# Altium PCB Thunderscope-E.PCBDOC (part 1 of 4)
Units mm, origin at the board's own origin, x right, y up, seen from the top; angles counter-clockwise.
Board outline 90.45 x 105.75 mm, 4 copper layers (L1, L2, L3, L4), stack 1.641 mm thick; 474 components, 268 nets, 1559 pads, 783 vias.
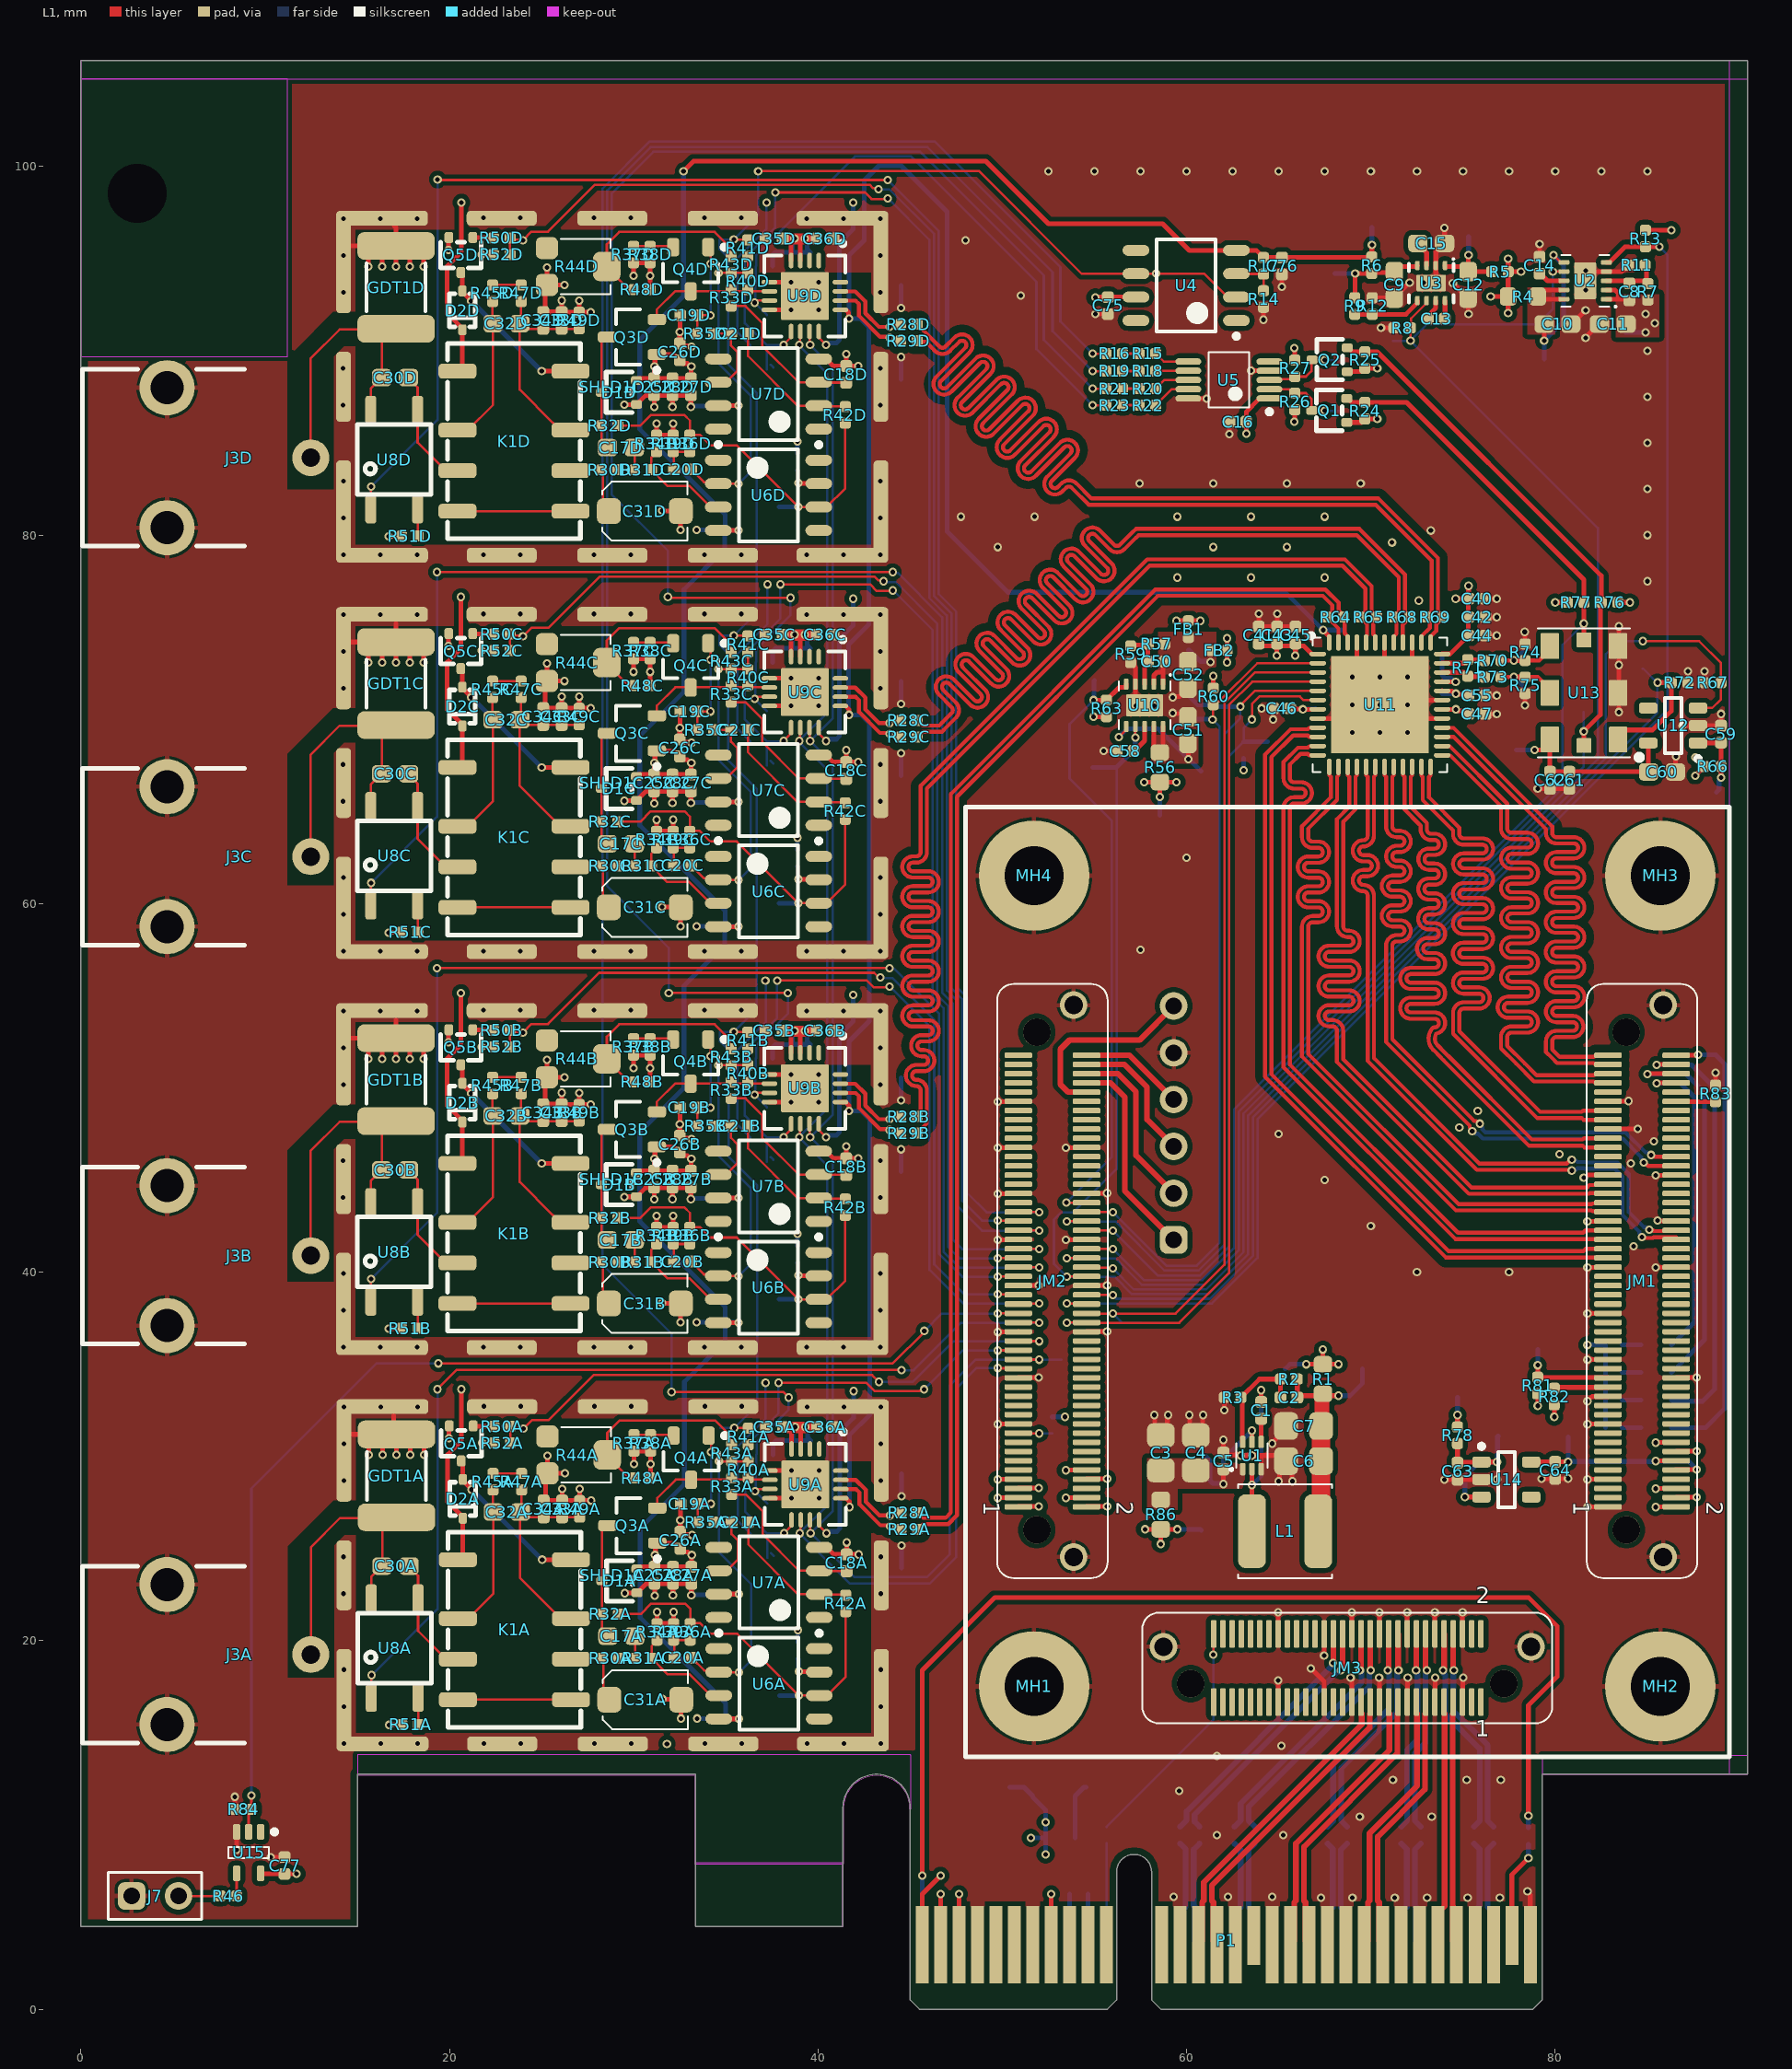
[diagram p0: L1 view]
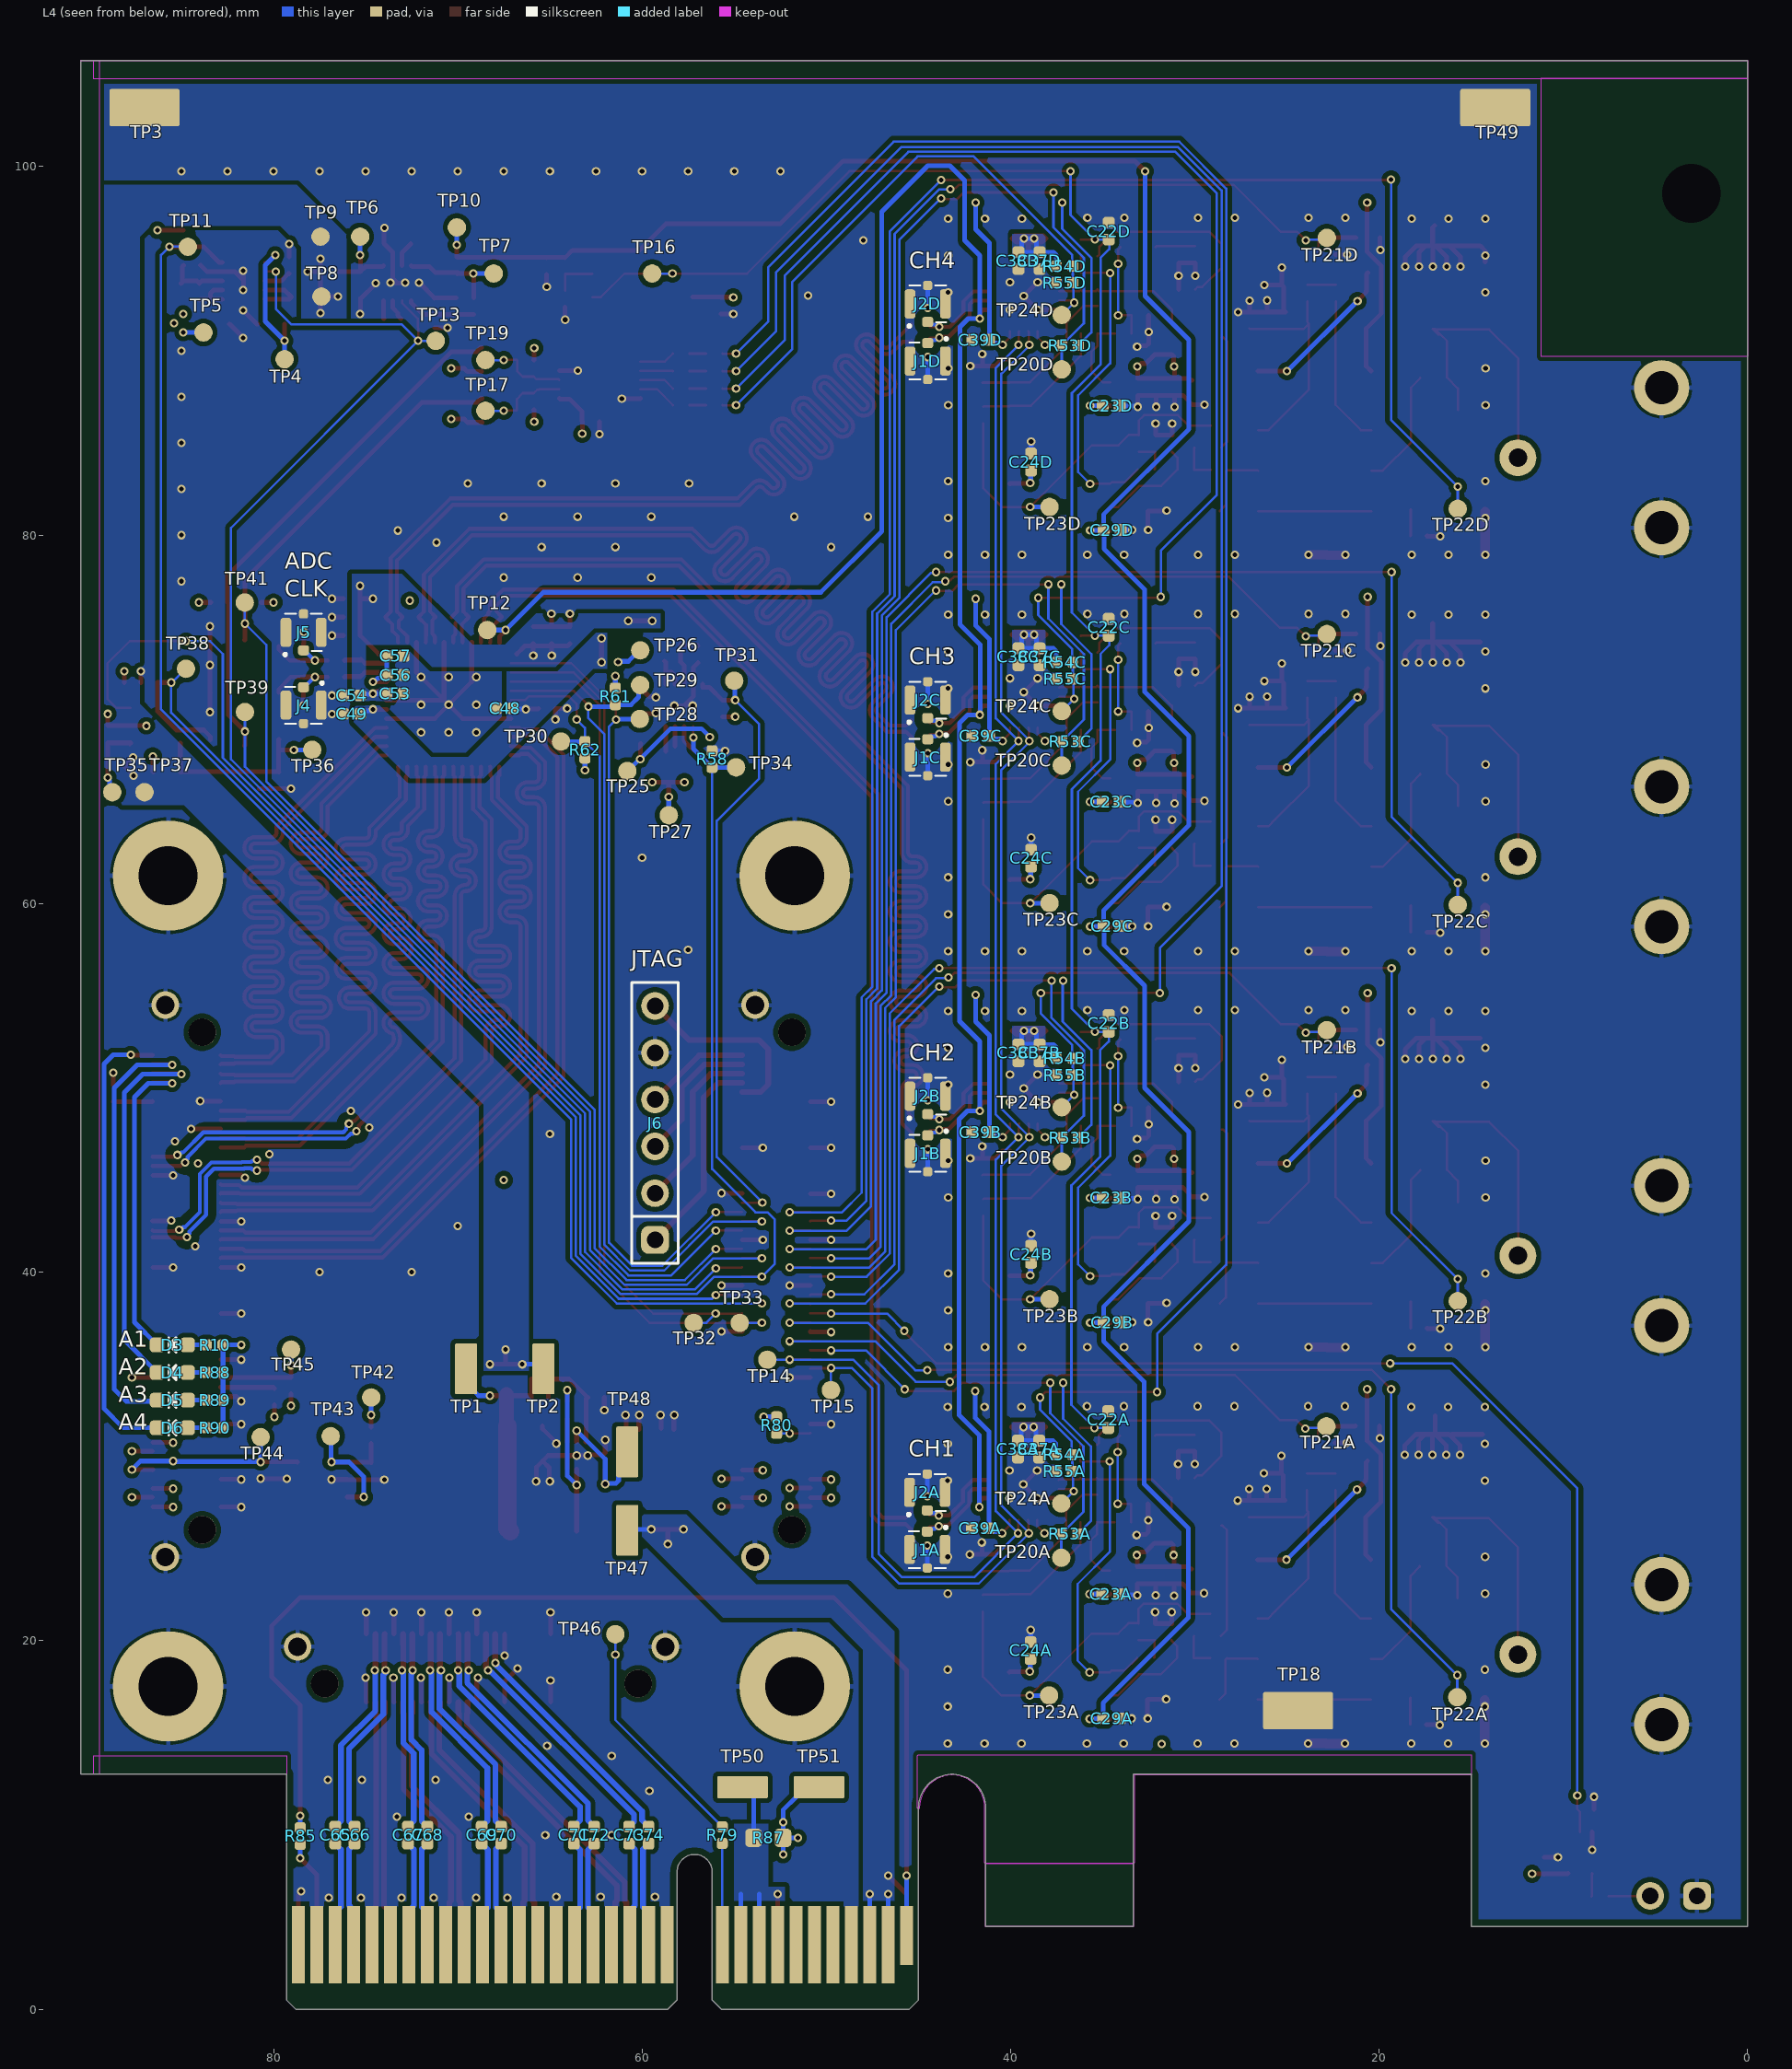
[diagram p1: L4 view, seen from below]
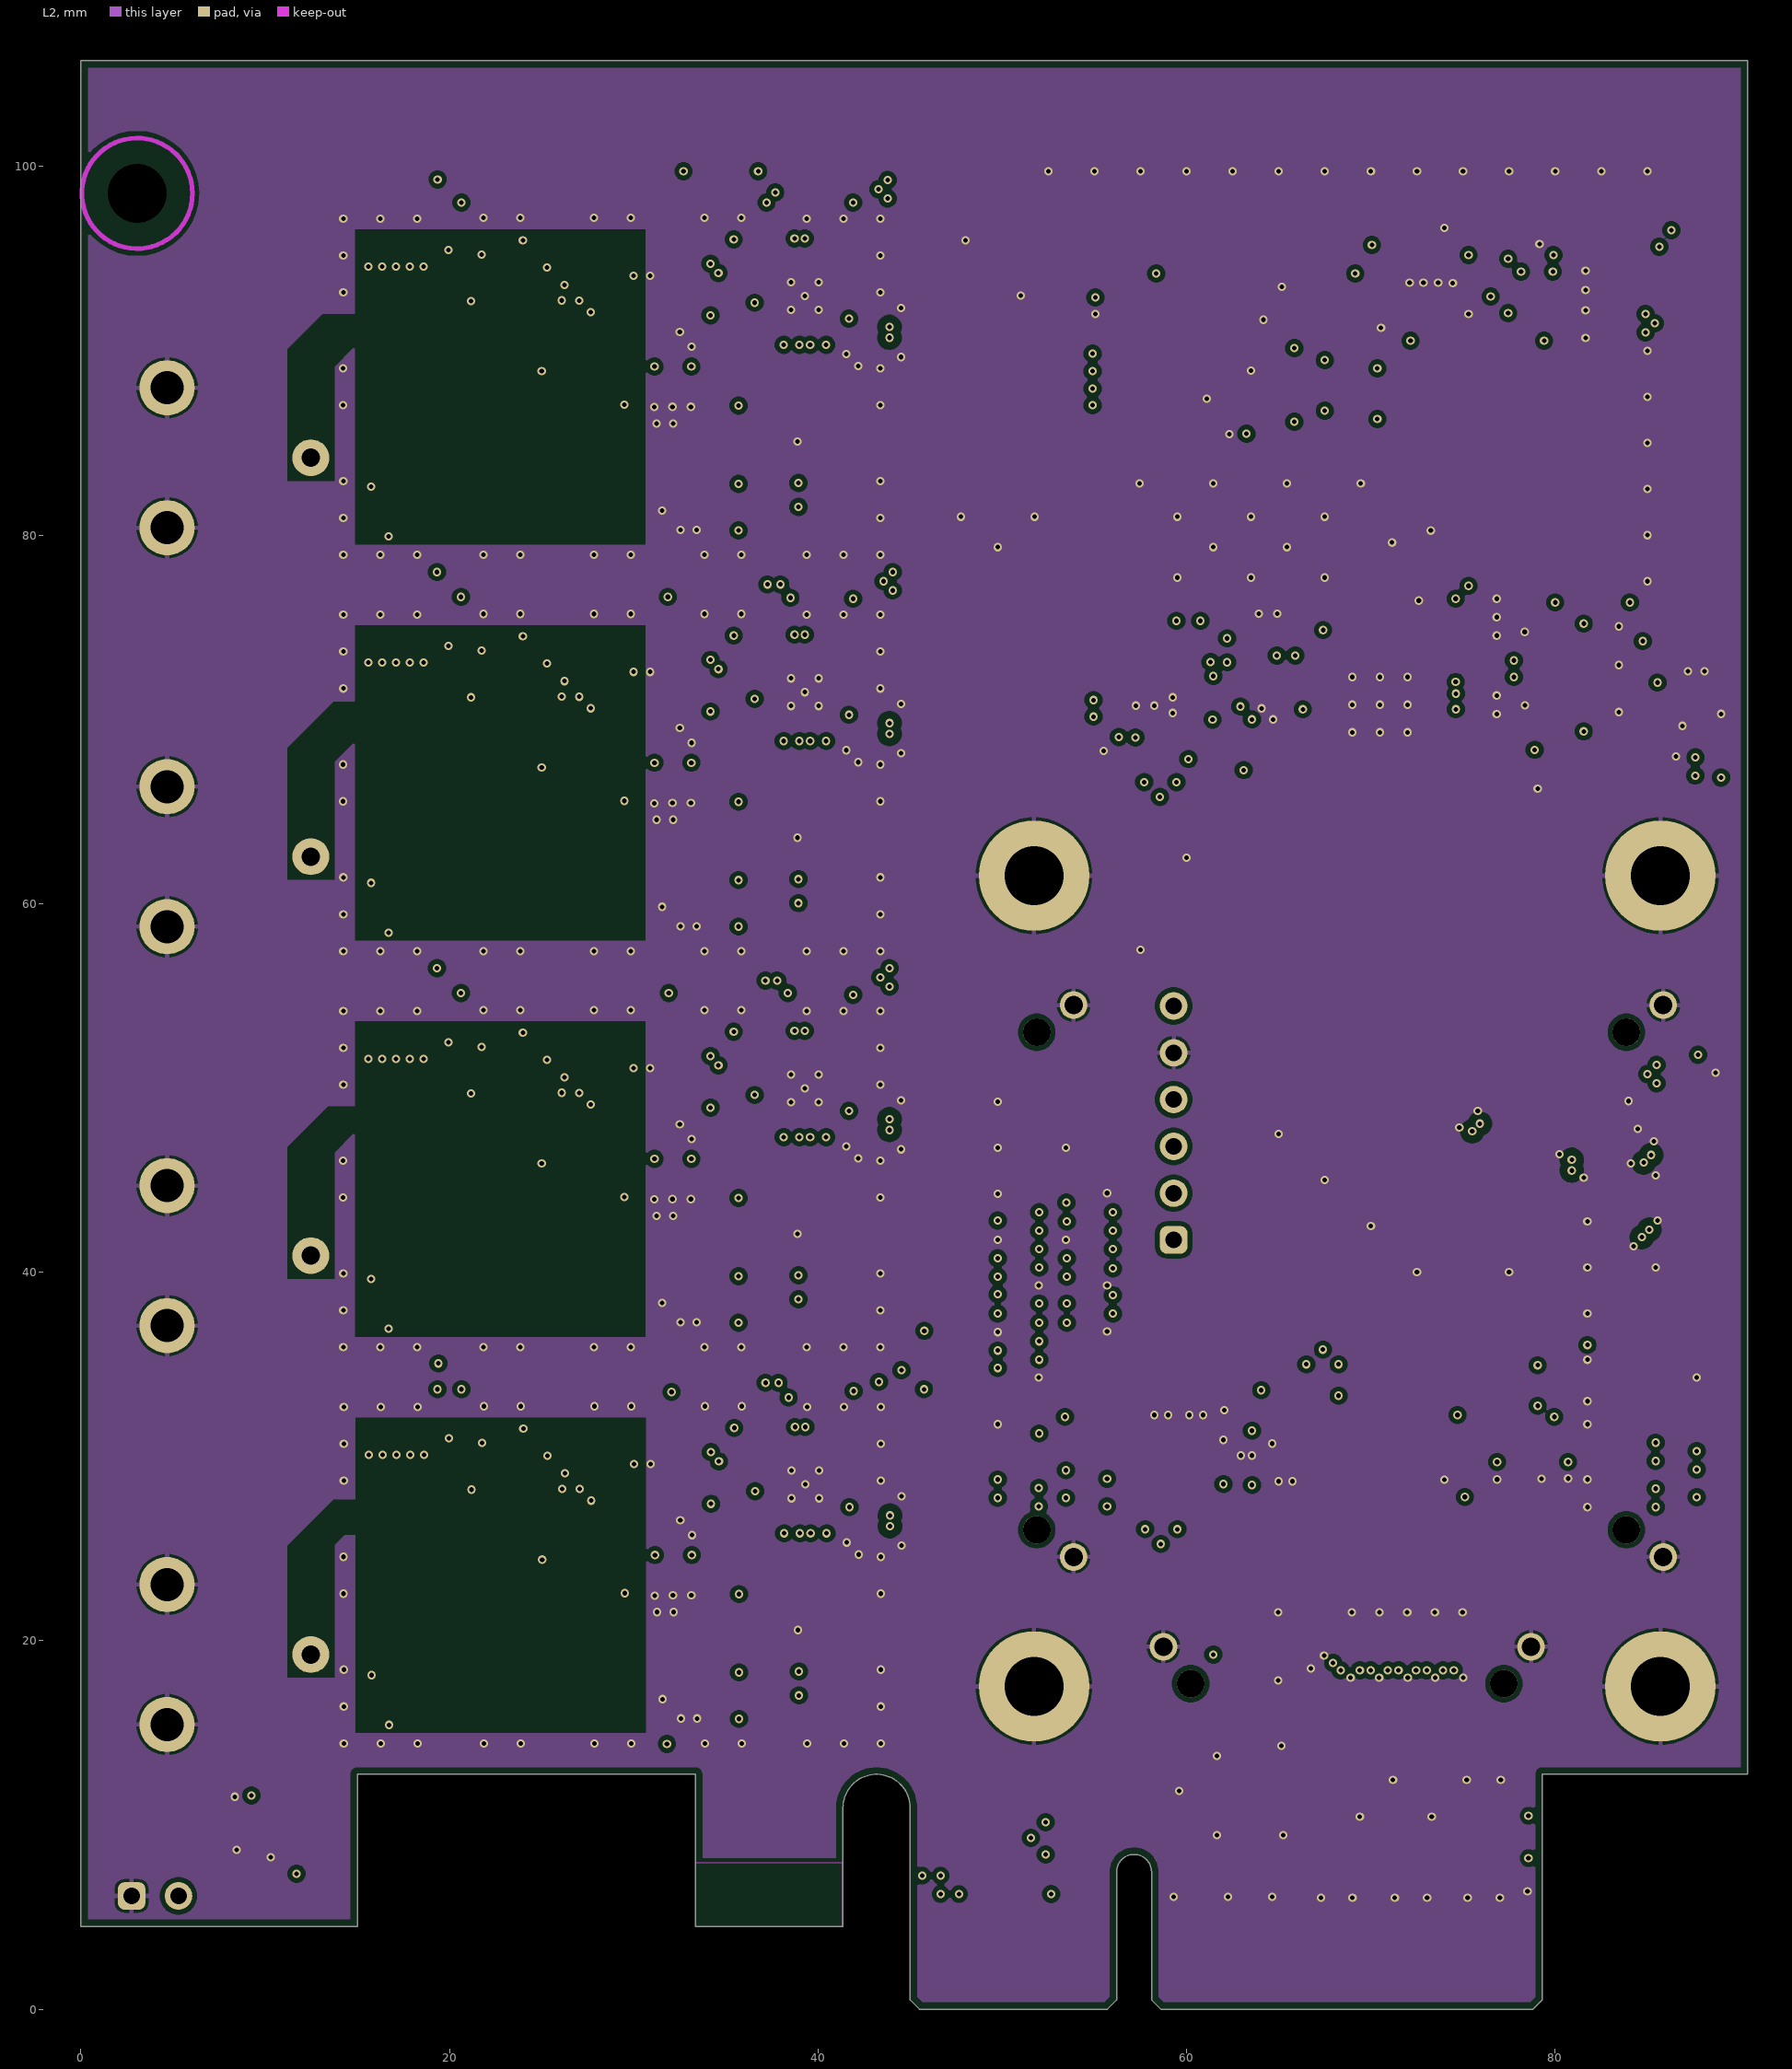
[diagram p2: L2]